# Altium PCB EinsyRetro.PcbDoc (part 4 of 5) (continued)
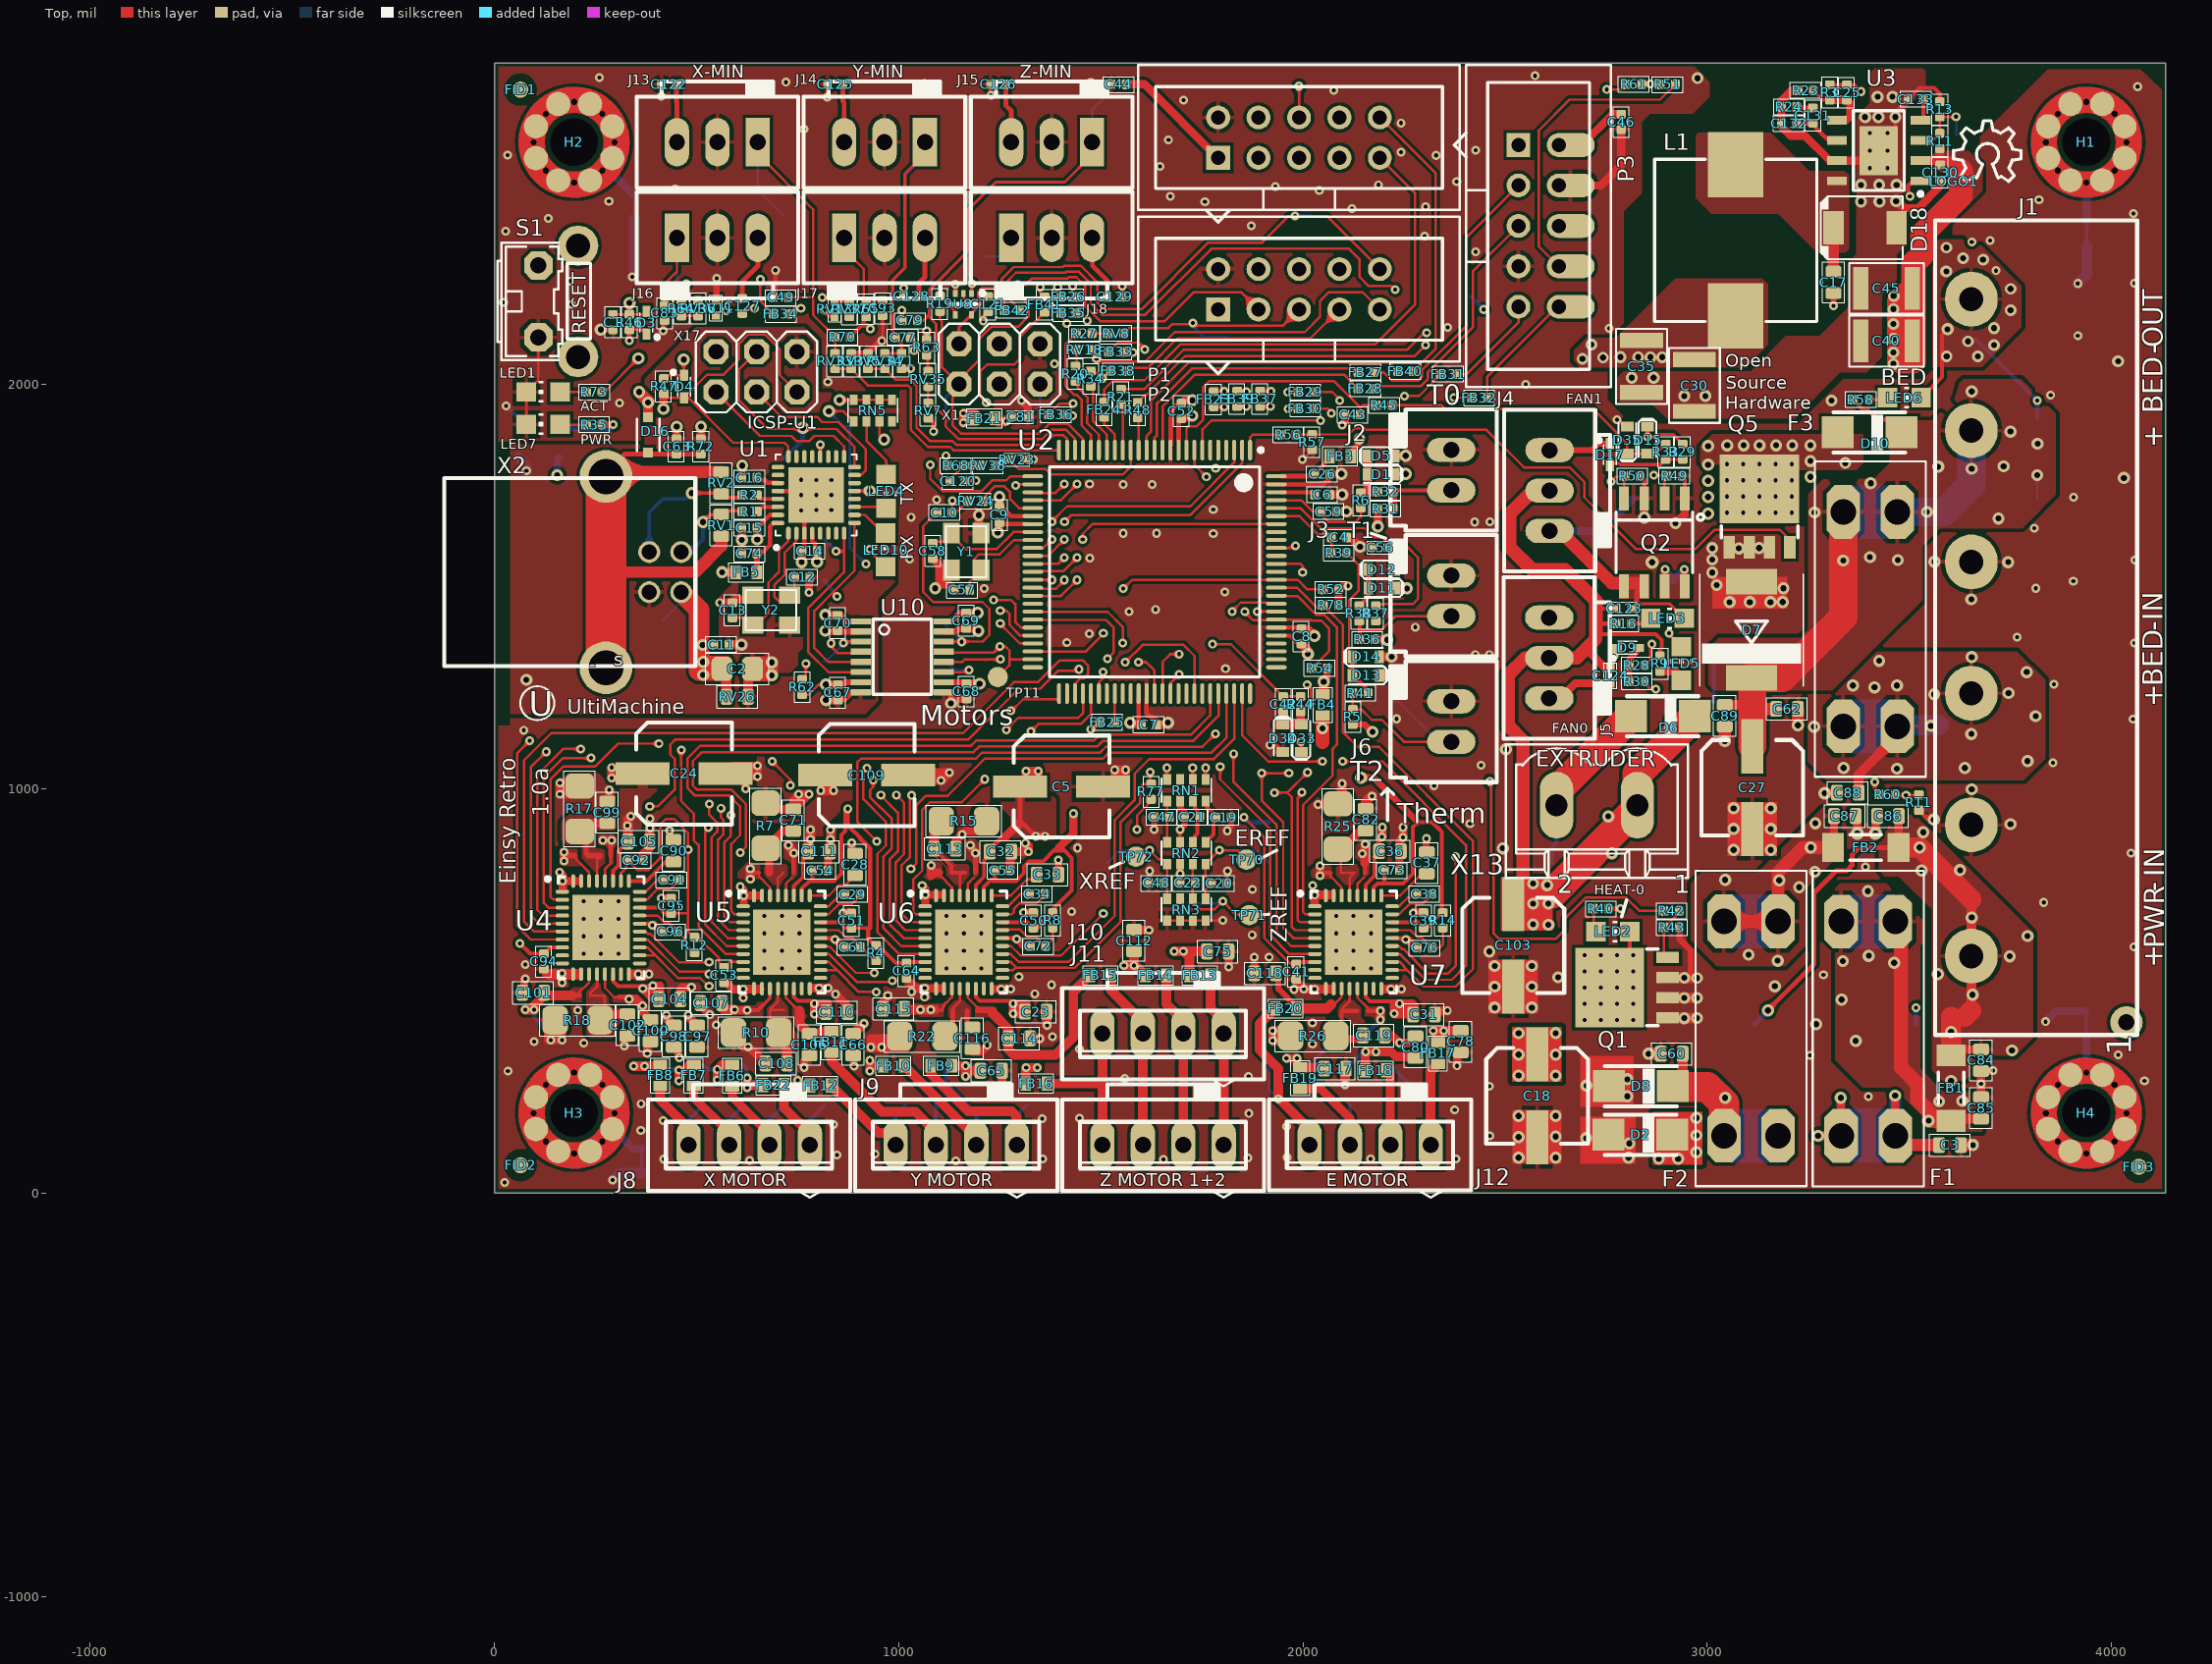
[diagram p0: Top view]
## Nets (pads, with @x,y where several pads share a name; then routed paths per layer and width w, separated by ;. In a path a pad name is that pad's centre, name@x,y a point inside that pad or via, vN(x,y) a via of type N, cw(c..) or ccw(c..) an arc to the next point about the centre after c; other vN are vias at no path point) (continued)
  Signal Layer 2 w6: v1(811,2215) 826,2215 844,2197 844,2168.5 1068,1944.5 1068,1894.7 1065,1891.7 1065,1874.3 1068,1871.3 1068,1842.3 1103.25,1807.05 1103.25,1790.25 1072.25,1759.25 1072.25,1703.25 1086.25,1689.25 1171.25,1689.25 1185.25,1703.25 1211.25,1703.25 1218.64,1695.87 1430.64,1695.87 1455,1671.5 v2(1455,1616)
Y_MIN: RV5.2 RV34.1 U2.24 | length 658.4
  Top w6: RV5.2@923.48,2038.14 923.53,2038.19 RV34.1@965.55,2038.19 991.93,2011.81 1027.91,2011.81 1044,1995.72 1044,1892.89 1077.89,1859 1133.29,1859 1142.29,1850 1360,1850 1383.77,1873.77 1407.23,1873.77 1416.25,1864.75 U2.24@1416.25,1850.96
Y_nCS: U2.70 U5.2 | length 1901.8
  Top w6: U5.2@615.53,688.95 593.05,688.95 585.5,696.5 585.5,862.5 607.5,884.5 607.5,956 580.25,983.25 495,983.25 477,1001.25 477,1074 509,1106 1179,1106 1192,1119 1483,1119 1497,1133 1722.66,1133 1770.79,1181.13 U2.70@1770.79,1221
Z-DIR: U2.37 U6.7 | length 1587.1
  Top w6: v1(921,1050) 912.5,1041.5 912.5,973.5 968,918 968,859 947.5,838.5 947.5,644.5 1001.47,590.53 U6.7@1065.53,590.53 ; U2.37@1317.83,1555.69 1394.51,1555.69 v1(1409.83,1571)
  Signal Layer 2 w6: v1(921,1050) 948,1077 1231,1077 1333.41,1179.41 1333.41,1526.41 1378,1571 v1(1409.83,1571)
Z-EN: U2.73 U6.22 | length 1084.8
  Top w6: U6.22@1256.47,590.53 1277.47,590.53 1297,571 1419.75,571 1534,685.25 1534,922 1583.25,971.25 1583.25,1036.25 1620,1073 1779.69,1073 1829.79,1123.09 U2.73@1829.79,1221
Z-REF: C22.1 RN2.7 RN3.2 TP13.TP TP71.TP U6.23 | length 967.6
  Top w6: U6.23@1257.69,609 1256.47,610.21 1277.79,610.21 1301,587 1402,587 v1(1506,691) ; RN2.7@1727.47,813.26 1727.47,772.35 C22.1@1733.38,766.44 1727.47,760.54 RN3.2@1727.47,727.07 1727.47,718.6 1744.59,701.48 1781.61,701.48 v2(1801.29,721.17) 1834.76,687.7 1866.3,687.7 TP71.TP@1867,687
  Signal Layer 2 w6: v1(1506,691) 1771.13,691 v2(1801.29,721.17)
  Bottom w6: TP13.TP@1716,716 1796.13,716 v2(1801.29,721.17)
Z-REF-PWM: RN1.2 U2.39 | length 862.6
  Top w6: U2.39@1318.39,1515.44 1317.83,1516 v1(1378.83,1516) ; v1(1727,1051) 1727,1022.82 RN1.2@1727.47,1022.35
  Signal Layer 2 w6: v1(1378.83,1516) 1363.41,1500.58 1363.41,1155.59 1427,1092 1689.47,1092 1725,1056.47 v1@1725,1054
Z-STEP: U2.55 U6.6 | length 1167.1
  Top w6: v1(936.93,1020.68) 936.93,1003.93 929,996 929,979 983,925 983,852 962.5,831.5 962.5,654.5 1006.79,610.21 U6.6@1065.53,610.21 ; v1(1327,1141) 1346,1160 1451,1160 1475.31,1184.31 U2.55@1475.31,1221
  Signal Layer 2 w6: v1(936.93,1020.68) 936.93,1021.83 936,1022.77 974.23,1061 1247,1061 v1(1327,1141)
Z_DIAG: R77.1 U2.83 U6.20 U6.21 | length 1514.2
  Top w6: U6.20@1256.47,551.16 1283.16,551.16 1289,557 1291,557 ; U6.21@1256.47,570.84 1277.16,570.84 1291,557 ; v1(1622,1041) R77.1@1622,1011.15 ; R77.1@1624.25,1011.15 R77.1@1622,1011.15 ; v1(1886.79,1438) 1946.79,1438 U2.83@1947.79,1437 ; 1291,557 1436,557 1549,670 1549,917 1597.25,965.25 1597.25,1003.25 1605.15,1011.15 R77.1@1622,1011.15
  Signal Layer 2 w6: v1(1622,1041) 1636,1041 1648,1029 1819,1029 1853,1063 1853,1127 1909,1183 1909,1415.79 v1(1886.79,1438)
Z_MAX: RV23.2 RV38.1 U2.16 | length 404.6
  Top w6: RV38.1@1239.54,1799.26 1259.07,1799.26 RV23.2@1273.46,1813.65 1296.75,1790.35 1363.19,1790.35 1376.97,1776.57 1554.13,1776.57 1573.73,1796.17 U2.16@1573.73,1837.18
Z_MIN: RV7.2 RV35.1 U2.23 | length 489.3
  Top w6: RV7.2@1073,1954 RV35.1@1073,1994.1 ; RV7.2@1073,1961 1116,1918 1116,1896.09 1148.09,1864 1354.2,1864 1377.97,1887.77 1413.03,1887.77 1435.94,1864.86 U2.23@1435.94,1850.96
Z_nCS: U2.84 U6.2 | length 1824.1
  Top w6: U6.2@1065.53,688.95 1042.05,688.95 1035.88,695.12 1035.88,774.88 1058,797 1058,947 1077,966 1156,966 v1(1213,1023) ; v1(1824.79,1438) 1824.79,1438.79 1846,1460 1910,1460 1913,1457 U2.84@1947.79,1457 ; U2.84@1947.79,1458 U2.84@1954.98,1458
  Signal Layer 2 w6: v1(1213,1023) 1223,1013 1827,1013 1870,1056 1870,1122 1924,1176 1924,1441.66 1905.66,1460 1846,1460 1824.79,1438.79 v1(1824.79,1438)
pads on no net: D6. D10. D16. FID1.1 FID2.1 FID3.1 H1.0 H2.0 H3.0 H4.0 J8. J9. J10. J11. J12. P3. Q1. Q5. U4. U5. U6. U7. U10.

## Polygon pours and split planes (outlines as drawn)
GND on Top "Top GND large pour" (solid, remove dead copper, pour order 217): 2967.4,2785.6 3006,2747 3006,2711 2964,2669 2858,2669 2838,2649 2838,2473 2793,2428 2793,2151 2753,2111 2753,1961 2812,1902 3225,1902 3336,2013 3534,2013 3607,2086 3607,2436 3675,2504 3675,2612 3842,2779 4071,2779 4124.18,2729 4124.18,10.18 10.18,10.18 10.18,2785.6
GND on Top "Top-MotorThermal" (solid, pour order 174): 75.06,895.06 141,961 2406,961 2519.94,847.06 2519.94,449.07 2414.87,344 218,344 75.06,486.94
VMOT on Top "Direct Connect" (solid, remove dead copper, pour order 98): 3630,2429 3680,2479 3680,2544 3647,2577 3566,2577 3553,2564 3553,2548 3606,2495 3606,2447
GND on Top "XTAL" (solid, pour order 207): 1272,1473 1065,1473 1065,1691 1272,1691
GND on Top "Direct-Connect" (solid, pour order 164): 832,787 846,801 846,816 846,900 842,904 831,904 819,892 819,871 812,864 812,794 819,787
GND on Top "Direct-Connect" (solid, pour order 146): 678,915 754.49,915 793.27,953.77 793.27,985.73 787,992 746,992 735,981 719,981 702,998 644,998 630,984 630,926 641,915
GND1 on Top "Top-GND1" (solid, remove dead copper, pour order 124): 38.64,1184.25 917.52,1184.25 949.07,1215.8 949.07,1469.74 994,1514.67 994,1980 801,1980 800,2108 767,2141 498.28,2141 371.32,2014.03 372.3,2013.05 372.3,1850.65 38.64,1850.65
GND on Top "Top-GND-ICoupler" (solid, pour order 117): 1008.13,1512.06 960.88,1464.82 960.88,1208.91 917.57,1165.61 917.57,1149.86 929.39,1138.05 1173.48,1138.05 1232.54,1197.1 1232.54,1409.7 1197.1,1445.13 1086.87,1445.13 1019.94,1512.06
VMOT on Top "VMOT-Y" (solid, pour order 107): 770,882 770,956 794,980 794,1025 885,1025 885,973 816,904 816,882
BED-IN on Top "50mil" (solid, pour order 184): 3248.09,1111.09 3248.09,1279.09 3308.09,1339.09 3766.09,1339.09 3836.09,1269.09 3836.09,1074.09 3783,1021 3294.19,1021 3248.09,1067.09
+12V3 on Top "50mil" (solid, pour order 178): 3412,1766 3451,1805 3451,1852 3509,1910 3556,1910 3613,1967 3623,2003 3633,2013 3680,2013 3776,2013 3862,1927 3862,1727 3793,1658 3779,1644 3575,1644 3532,1601 3532,1506 3532,1466 3309,1243 3017,1243 3003,1257 3003,1348 3028,1373 3230,1373 3250,1393 3250,1728 3288,1766
NetC87_1 on Top "24mil" (solid, pour order 185): 2959,625 3024,560 3192,560 3237,605 3245,613 3245,754 3322,831 3322,973 3305,973 3124,792 2985,792 2959,766
BED-OUT on Top "Direct-Connect" (solid, pour order 176): 3049.62,1787.38 3368.38,1787.38 3386,1805 3386,1877 3013,1877 2982,1846 2982,1801 3036,1801
GND on Top "Direct-Connect" (solid, pour order 141): 1284,783 1299,798 1299,814 1299,815 1331,847 1331,864 1313,882 1296,882 1281,867 1267,867 1260,860 1260,784 1264,780 1281,780
NetC124_1 on Top "Direct Connect" (solid, pour order 100): 2882,1530 2882,1470 2956,1470 2956,1530 2918,1530
NetC115_1 on Top "Direct-Connect" (solid, pour order 173): 1004,435 1114,435 1118,439 1118,464.92 1115.15,467.77 1007.77,467.77 1004,464
NetC114_1 on Top "Direct-Connect" (solid, pour order 172): 1185,467 1185,439 1190,434 1238,434 1238,458 1229,467
NetC119_2 on Top "Direct-Connect" (solid, pour order 165): 2107,477 2129,477 2143,463 2143,434 2153.41,423.59 2164.86,423.59 2163,414 2163,396 2163,370 2120,361 2106.59,349 2049.68,349 2047.83,350.85 2044,354.68 2044,417 2060,433 2062,433 2082,433 2086,437 2086,459 2104,477
NetC116_2 on Top "Direct-Connect" (solid, pour order 161): 1143,477 1165,477 1179,463 1179,434 1189.41,423.59 1200.86,423.59 1208.94,415.52 1208.94,395.86 1208.94,390.02 1200.86,381.95 1166.46,381.95 1157.38,372.88 1157.38,364.38 1137,344 1090.68,344 1083.83,350.85 1080,354.68 1080,417 1096,433 1098,433 1118,433 1122,437 1122,459 1140,477
X_0B2 on Top "Direct-Connect" (solid, pour order 149): 288,487 288,475 293,470 342,470 361,451 361,412.38 365,408.38 406.29,408.38 406.29,415.25 406.29,437.71 404,447 397,447 357,487
NetC102_2 on Top "Direct Connect" (solid, pour order 135): 250,522 256,522 269,509 282,496 282,469 295,456 342,456 347,451 347,430 338,421 313,421 300,408 300,391 292,383 238,383 227,394 227,499
VMOT on Top "VMOT-Z" (solid, pour order 106): 1277,889 1277,990 1366,990 1366,879 1278,879
GND on Top "Direct Connect" (solid, pour order 131): 271.79,945.79 298,972 298,984 298,997 282,1013 258,1037 225,1037 183,1037 153,1007 153,945.79
GND on Top "Direct-Connect" (solid, pour order 136): 1572,1001 1572,1041 1582,1051 1582,1065 1573,1074 1519,1074 1514,1069 1514,1033 1538,1009
VMOT on Top "Direct-Connect" (solid, pour order 138): 1254,994 1254,952 1283,923 1287.82,918.18 1287.82,893.82 1320.82,893.82 1342.64,872 1367,872 1383,872 1389,878 1389,974 1359,1004
GND on Top "Direct-Connect" (solid, pour order 147): 614,1011 653,1011 665,1023 665,1066 658,1073 614,1073 601,1060
GND on Top "Direct-Connect" (solid, pour order 155): 544,429 544,385.25 544,360.25 544,351 599,351 621,351 638,368 638,414 623,429
GND on Top "Direct-Connect" (solid, pour order 160): 943,346 1047,346 1059,358 1059,415 1048,426 1043,431 987,431 960,431 921,392 916,387 916,354 920,354 928,346
GND on Top "Direct-Connect" (solid, pour order 167): 1979,355 1930,355 1913,372 1913,406 1921,414 1978,414 1979,413
GND on Top "Direct-Connect" (solid, pour order 175): 1083,1005 1124,1005 1141,1022 1141,1036 1127,1050 1117,1060 1082,1060
GND on Top "Direct-Connect" (solid, pour order 162): 2213.37,892.37 2213.37,796.63 2230,780 2246,780 2257,791 2259.48,793.48 2259.48,875.46 2259.48,879.52 2233,906 2227,906
VMOT on Top "VMOT-X" (solid, pour order 111): 310,899 310,1019 427,1019 365,957 365,899
PWR-IN on Top "24mil" (solid, pour order 190): 3424,799 3424,877 3447,900 3447,945 3505,945 3806,644 3806,489 3806,383 3762,339 3665,339 3665,305 3637,277 3581,277 3555,303 3555,701 3473,783 3442,783 3439,783 3424,798
NetC99_2 on Top "Direct Connect" (solid, pour order 128): 250,792 272,814 273,815 273,826 273,846 268,851 219,851 216,848 216,826 226,816
X_0A1 on Top "Direct Connect" (solid, pour order 129): 166,808 227,808 211,824 211,850 210,851 164,851 162,849 162,812
X_0A2 on Top "Direct Connect" (solid, pour order 130): 289,806 298,815 298,829 298,856 303,861 303,879 295,887 260,887 256,883 256,863 259,860 271,860 279,852 279,806
NetC99_2 on Top "Direct Connect" (solid, pour order 132): 258,850 246,862 246,877 246,889 253,896 276,896 297,896 301,900 301,933 297,937 296,936 201,936 184,936 165,917 165,873 176,862 213,862 216,859 216,844.8 226.8,834 248,834 258,844
NetC113_2 on Top "Direct-Connect" (solid, pour order 139): 1150,762 1160,762 1173,775 1175,777 1175,808 1170,813 1154,813 1124,813 1117,806 1117,775 1127,765 1130,762 1137,762
NetC112_1 on Top "Direct-Connect" (solid, pour order 143): 1073,769 1080,776 1099,776 1111,776 1113,778 1113,805 1100,818 1076,818 1051,793 1051,776 1058,769
NetC71_2 on Top "Direct-Connect" (solid, pour order 144): 700,762 710,762 723,775 725,777 725,808 720,813 704,813 674,813 667,806 667,775 677,765 680,762 687,762
X_0B1 on Top "Direct-Connect" (solid, pour order 148): 185,481 194,472 218,472 222,476 222,477 222,504 218,508 195,508 185,498
NetC107_1 on Top "Direct-Connect" (solid, pour order 154): 667.54,472 667.54,436.86 663.87,433.19 623.81,433.19 615,442 615,460 618,463 644,463 647,466 650.45,469.45 650.45,471.88
NetC113_2 on Top "Direct-Connect" (solid, pour order 156): 1085,833 1090,833 1124,799 1134,809 1141,809 1107,843 1096,854
NetC82_2 on Top "Direct-Connect" (solid, pour order 163): 2114,762 2124,762 2137,775 2139,777 2139,808 2134,813 2118,813 2088,813 2081,806 2081,775 2091,765 2094,762 2101,762
NetC117_1 on Top "Direct-Connect" (solid, pour order 166): 2151,464 2151,439 2154,436 2170,436 2180,426 2185,421 2198,421 2203,426 2203,431 2203,456 2195,464
NetC80_1 on Top "Direct-Connect" (solid, pour order 169): 2076,801 2076,804 2069,811 2034,811 2021,798 2020,797 2020,780 2023,777 2029,777 2076,777
NetC108_2 on Top "Direct Connect" (solid, pour order 151): 697.38,486 703.38,486 716.38,473 727,462.38 727,435.38 742.38,420 789.38,420 794.38,415 794.38,394 785.38,385 760.38,385 747.38,372 747.38,355 739.38,347 685.38,347 674.38,358 674.38,463
NetC106_1 on Top "Direct-Connect" (solid, pour order 152): 733,466 733,438 740,431 776,431 778,433 754,457 754,464 752,466
GND1 on Top "Top-CryGND1" (solid, pour order 118): 702.02,1645.92 702.02,1555.37 664.62,1517.97 599.66,1517.97 555.37,1473.68 555.37,1340.8 609.5,1286.67 731.55,1286.67 750.25,1305.37 750.25,1334.9 763.05,1347.69 763.05,1497.3 805.37,1539.62 777.81,1567.18 777.81,1647.89
NetC75_1 on Top "Direct-Connect" (solid, pour order 140): 1179,771 1196,771 1202,777 1204,779 1204,822 1204,859.85 1187.23,876.62 1172.62,876.62 1160,864 1160,834 1179,815
NetC65_1 on Top "Direct-Connect" (solid, pour order 145): 729,771 746,771 752,777 754,779 754,822 754,859.85 737.23,876.62 722.62,876.62 710,864 710,834 729,815
NetC78_1 on Top "Direct-Connect" (solid, pour order 168): 2143,771 2160,771 2166,777 2168,779 2168,822 2168,859.85 2151.23,876.62 2136.62,876.62 2124,864 2124,834 2143,815
NetC85_1 on Top "24mil" (solid, pour order 150): 3680,151 3680,250 3584,250 3526,308 3526,611 3537,622 3537,670 3442,765 3328,765 3316,753 3316,328 3384,260 3461,260 3570,151
BED-OUT on Top "50mil" (solid, pour order 198): 3557,2043 3632,2043 3656,2043 3679,2043 3777,2141 3777,2243 3661,2359 3557,2359
NetC123_1 on Top "Direct Connect" (solid, pour order 99): 2782,1530 2782,1470 2857,1470 2856,1470 2856,1530
GND on Top "Direct Connect" (solid, remove dead copper, pour order 223): 3397,2032 3432,2067 3432,2222 3468,2258 3468,2321 3491,2344 3491,2684 3540,2733 3540,2775 3534,2781 3413,2781 3401,2769 3401,2695 3368,2662 3368,2322 3350,2304 3350,2192 3277,2119 3194,2119 3107,2032 2793,2032 2777,2016 2777,1964 2785,1956 2859,1956 2900,1915 3215,1915 3329,2029 3394,2029
NetC17_2 on Top "Direct Connect" (solid, remove dead copper, pour order 225): 3350,2517 3340,2527 3252,2527 3157,2622 2977,2622 2971,2616 2971,2461 3010,2422 3175,2422 3271,2326 3342,2326 3350,2334
VCC on Top "Direct Connect" (solid, remove dead copper, pour order 101): 2773.5,2114.5 2700.5,2114.5 2670,2084 2670,2057 2686.27,2040.73 2753,2042 3095,2042 3150,2097 3150,2248 3136,2262 2921,2262
NetC66_1 on Top "Direct-Connect" (solid, pour order 177): 623,769 630,776 649,776 661,776 663,778 663,805 650,818 626,818 601,793 601,776 608,769
VCC on Supply "Power" (solid, remove dead copper, pour order 127): 961.25,1986.25 907.25,1986.25 857.25,1986.25 857.25,2097.25 807.25,2147.25 497.25,2147.25 425.25,2074.25 425.25,1898.25 47,1898.25 47,2391 81,2425 265,2425 267,2423 374,2530 374,2658 474,2758 1806,2758 4096.58,2758 4096.58,2271.58 4096.58,1989 4096.58,1788 4096.58,1093 4096.58,988 4096.58,891 4096.58,847 4096.58,816 4096.58,796 4096.58,783 4096.58,761.77 4096.59,740 4096.54,390.41 4096.68,58 3538,58 3538,237.41 3385,390.41 2653.65,390.41 2615.06,429 219,429 39,609 39,1114 104,1179 980,1179 1054,1253 1054,1422.5 1025,1451.5 1025,1922.5
VMOT on Supply "Power" (solid, remove dead copper, pour order 125): 433.25,908.25 441.25,904.25 445.25,894.98 445.25,834.75 489.25,788.25 489.25,690.25 474,672 474,496 494,476 520,476 558,514 558,743 689,874 744,874 767.01,897.01 844.99,897.01 850,892 857.5,892 936.68,812.82 937.25,662.25 925,642 925,487 940,472 994,472 1041.75,519.75 1041.75,812.75 1096,867 1294.25,867 1322.56,889 1407,889 1407,677 1445,639 1819,639 2042,862 2160,862 2195,897 2195,905 2207,917 2230,917 2258,889 2309,889 2363,835 2363,680 2520,523 2655,388 3387,388 3538,237 3538,77 3519,58 2727,58 402,58 344,116 344,261 267,338 108,338 58,388 58,543 87,572 87,810 171,894 304,894 310,900 310,922 335,947 351,947 361,937 361,908.25
NetD6_A on Supply "Extruder NetD6_A" (solid, pour order 114): 2657.96,395.14 2657.96,599.25 2828.25,599.25 2828.25,395.05
USBVCC on Supply "Top-USBVCC" (solid, remove dead copper, pour order 115): 1006,1928.25 958.25,1976 820,1976 820,2104 788,2136 506,2136 436,2066 436.25,1894.25 58.25,1894.25 58.25,1175.25 974.25,1175.25 1066,1267 1066,1436 1006,1496
GND on Bottom "BOT GND large pour" (solid, remove dead copper, pour order 219): 10.18,10.18 4124.18,10.18 4124.18,2785.6 10.18,2785.6
+12V2 on Bottom "Direct Connect" (solid, pour order 196): 2767.25,1070.25 2697.25,1000.25 2697.25,875.25 2649.25,827.25 2582.25,827.25 2534.25,786.25 2534.25,641 2606,641 2734,504 2964,274 2964,141 2987,118 3228,118 3245,135 3245,316 3070.07,594.89 3015.2,594.89 2983,631 2983,765 2939,765 2939,1070.25
GND1 on Bottom "Top-GND1" (solid, pour order 119): 1006.16,1906.91 1005.59,1906.91 924.25,1986.47 801,1986.47 801,2105 765,2141 498.28,2141 371.32,2014.03 372.3,2013.05 372.3,1850.65 38.64,1850.65 38.64,1187.25 920.52,1187.25 949.07,1215.8 949.07,1469.74 1006.16,1526.83
NetC85_1 on Bottom "Direct Connect" (solid, pour order 208): 3685,158 3713,186 3713,217 3680,250 3584,250 3479,355 3479,728 3442,765 3328,765 3316,753 3316,470 3352,434 3352,369 3461,260 3563,158
GND on Bottom "Direct Connect" (solid, pour order 205): 3500,1530 3557,1587 3757,1587 3757,1509 3696,1448 3562,1448 3500,1510
+12V3 on Bottom "Direct Connect" (solid, pour order 180): 3249,1723 3293,1767 3312,1786 3436,1786 3532,1786 3563,1817 3563,1935 3605,1977 3642,2014 3715,2014 3861,1868 3861,1771 3731,1641 3601,1641 3565,1605 3503,1543 3289,1543 3249,1583
NetD6_A on Bottom "Extruder HeatSink Bot" (solid, pour order 104): 2828.25,595.25 2479,595.25 2479,11 2772,11 2772,236 2773,235 2828.25,235
NetC87_1 on Bottom "Direct Connect" (solid, pour order 188): 2999,602 3076,592 3092,559 3191,559 3245,613 3245,726 3296,777 3308.25,789.25 3308.25,910.25 3283.25,935.25 3227.25,935.25 3084,792 2999,792
GND on Bottom "Direct Connect" (solid, pour order 206): 3616.25,816.25 3707.25,816.25 3780,889 3804,913 3804,1012 3582,1012 3555,985 3548,978 3548,922 3548,884.5
PWR-IN on Bottom "Direct Connect" (solid, pour order 192): 3508.25,786.75 3508.25,887.25 3518.25,897.25 3532.25,897.25 3627.25,802.25 3738.75,802.25 3806,735 3806,489 3806,383 3762,339 3665,339 3665,305 3637,277 3581,277 3555,303 3555,584 3555,740
BED-IN on Bottom "Direct Connect" (solid, pour order 183): 3247,1110 3247,1278 3307,1338 3765,1338 3835,1268 3835,1086 3775,1026 3576.99,1025.99 3558,1007 3306,1007 3247,1066
BED-OUT on Bottom "Direct Connect" (solid, pour order 200): 3488,2174 3488,2045 3454,2011 3454,2001.5 3534.25,1921.25 3660.5,2047.5 3720,2047.5 3777,2104.5 3777,2173.5 3777,2275.5 3721,2331.5 3645.5,2331.5
BED-OUT on Bottom "BedOut Bottom Heatsink" (solid, pour order 213): 3499,2079 3437,2017 3424,2016 2809,2016 2809,1696 2919.75,1585.25 3288,1585.25 3288,1756 3581.15,1756 3581.15,2243 3499,2243
GND on Signal Layer 1 "BOT GND large pour" (solid, remove dead copper, pour order 221): 10.18,10.18 4124.18,10.18 4124.18,2785.6 10.18,2785.6
uC_Vcc on Signal Layer 1 "uC Vcc" (solid, pour order 209): 1165,1992 1165,1115 2074,1115 2074,1989
NetD6_A on Signal Layer 1 "NetD6_A" (solid, remove dead copper, pour order 105): 2680.23,531.1 2680.23,421.28 2692.25,409.25 2821.84,409.25 2841.25,428.67 2841.25,742.25 2721.25,862.25 2721.25,1066.25 2698.25,1089.25 2624.25,1089.25 2586.25,1051.25 2586.25,871.25 2629.25,828.25 2629.25,585.9 2674.82,540.33
GND1 on Signal Layer 1 "Top-GND1" (solid, pour order 211): 38.64,1162.65 895.92,1162.65 949.07,1215.8 949.07,1469.74 1006.16,1526.83 1006.16,1986.47 801,1986.47 801,2105 765,2141 498.28,2141 371.32,2014.03 372.3,2013.05 372.3,1850.65 38.64,1850.65
BED-OUT on Signal Layer 1 "No Connect" (solid, pour order 102): 3543,1943 3671,2071 3733,2071 3761,2099 3761,2287 3720,2328 3634,2328 3543,2237 3543,2109.05 3477.37,2047 2976,2047 2976,2003.79 2978.74,1663 3200,1663 3337,1800 3512,1800 3543,1831
GND1 on Signal Layer 2 "Sig2-GND1" (solid, pour order 210): 1006.16,1910.35 930.03,1986.47 801,1986.47 801,2105 765,2141 498.28,2141 371.32,2014.03 372.3,2013.05 372.3,1850.65 38.64,1850.65 38.64,1195.25 928.52,1195.25 949.07,1215.8 949.07,1469.74 1006.16,1526.83
BED-OUT on Signal Layer 2 "No Connect" (solid, pour order 103): 3543,1943 3671,2071 3733,2071 3761,2099 3761,2287 3720,2328 3577,2328 3543,2294 3543,2109.05 3477.37,2047 2976,2047 2976,2003.79 2978.74,1663 3200,1663 3337,1800 3512,1800 3543,1831
NetD6_A on Signal Layer 2 "Extruder NetD6_A" (solid, pour order 194): 2718,597 2814,597 2828,597 2828,411 2658,411 2658,597
GND on GND (split plane): 4123.91,10.09 10.09,10.09 10.09,1161.34 25.9,1177.15 1044.25,1177.15 1046.2,1177.54 1047.86,1178.65 1066.86,1197.65 1067.96,1199.3 1068.35,1201.25 1068.35,1452.25 1067.96,1454.2 1066.86,1455.86 1017.16,1505.55 1017.16,1987.46 1016.77,1989.41 1015.67,1991.06 1014.01,1992.17 1012.06,1992.55 811.1,1992.55 811.1,2108 810.71,2109.95 809.6,2111.6 771.6,2149.6 769.95,2150.71 768,2151.1 496,2151.1 494.05,2150.71 492.4,2149.6 367.65,2024.86 366.54,2023.2 366.15,2021.25 366.15,1861.1 10.09,1861.1 10.09,2784.91 4123.91,2784.91
GND1 on GND (split plane): 800.9,2105.89 800.9,1987.46 801.29,1985.51 802.4,1983.85 804.05,1982.75 806,1982.36 1006.96,1982.36 1006.96,1503.44 1007.35,1501.49 1008.46,1499.84 1058.15,1450.14 1058.15,1203.36 1042.14,1187.35 23.79,1187.35 21.84,1186.96 20.18,1185.86 10.09,1175.76 10.09,1850.9 371.25,1850.9 373.2,1851.29 374.86,1852.4 375.96,1854.05 376.35,1856 376.35,2019.14 498.11,2140.9 765.89,2140.9

## Other copper
Top:
  region net GND: 2686,338.48 2686,213 2818,213 2818,338.48
  region net GND: 2685,188 2685,72 2823,72 2823,188
  rectangle net VMOT: 2865,69 2988,200
  rectangle net GND: 2518,72 2640,205
  rectangle net VMOT: 2517,275 2640,410
  rectangle net GND: 2459,443 2581,577
  rectangle net +12V2: 2489,649 2617,781
  rectangle net GND: 3050,833 3172,967
  rectangle net GND: 3012.25,1445 3198.25,1523.25
  pour cut-out: 561,1599 465,1599 464,1598 427,1635 427,1737 466,1776 701,1776 723,1754 723,1664 705,1646 607,1646
  pour cut-out: 38.64,1155.52 0.52,1155.52 0.25,1155.25 0.25,1858.25 38.17,1858.25 38.64,1857.78
Supply:
  rectangle net GND: 206.26,577.04 320.99,735.07
  rectangle net GND: 653.63,541.04 768.37,699.07
  rectangle net GND: 1103.63,541.04 1218.37,699.07
  rectangle net GND: 2067.63,541.04 2182.37,699.07
  pour cut-out: 2757.55,2068.3 ccw(c2785.57,2068.3) 2785.57,2040.28 ccw(c2785.57,2068.3) 2813.58,2068.3 ccw(c2785.57,2068.3) 2785.57,2096.31 ccw(c2785.57,2068.3)
Bottom:
  pour cut-out: 400.25,1790.25 529.25,1790.25 572.25,1747.25 572.25,1591.25 496.25,1515.25 351.25,1515.25 304.25,1562.25 304.25,1719.25 376.25,1791.25
  pour cut-out: 38.64,1155.52 0.52,1155.52 0.25,1155.25 0.25,1858.25 38.17,1858.25 38.64,1857.78
GND (plane layer: these items are gaps in the copper):
  lines w10: 0.25,1158.72 23.79,1182.25 1044.25,1182.25 1063.25,1201.25 1063.25,1452.25 1012.06,1503.44 1012.06,1987.46 806,1987.46 806,2108 768,2146 496,2146 371.25,2021.25 371.25,1856 0.25,1856

## Silkscreen, mask and mechanical layers (free items; w line width, h text height)
Top Overlay:
  circle w5: c106,1211 r42
  lines w8: 1522.25,803.25 1556.25,819.25 ; 1893.25,826.25 1935.25,847.25 ; 1897.25,688.25 1915.25,689.25 ; 2168.25,1631.25 2204.25,1619.25 ; 2194.25,985.25 2209.25,1000.25 ; 2209.25,921.25 2209.25,1000.25 ; 2224.25,985.25 2209.25,1000.25 ; 2788.25,683.25 2800.25,724.25 ; 179.75,2112.25 179.75,2299.25 237.75,2299.25 237.75,2112.25 179.75,2112.25
  lines w10: 2216.39,1224.04 2253.89,1224.04 2253.89,1303.11 ; 2216.39,1535.06 2253.89,1535.06 2253.89,1614.13 ; 2216.39,1846.09 2253.89,1846.09 2253.89,1925.15 ; 2225.94,1224.04 2225.94,1303.04 ; 2225.94,1535.06 2225.94,1614.06 ; 2225.94,1846.09 2225.94,1925.09 ; 2235.14,1224.04 2235.14,1302.83 ; 2235.14,1535.06 2235.14,1613.86 ; 2235.14,1846.09 2235.14,1924.88 ; 2244.94,1224.04 2244.94,1303.11 ; 2244.94,1535.06 2244.94,1614.13 ; 2244.94,1846.09 2244.94,1925.15 ; 2721.5,1185.5 2721.5,1264.57 2759,1264.57 ; 2722.5,1599.5 2722.5,1678.57 2760,1678.57 ; 2730.46,1185.5 2730.46,1264.57 ; 2731.46,1599.5 2731.46,1678.57 ; 2740.25,1185.77 2740.25,1264.57 ; 2741.25,1599.77 2741.25,1678.57 ; 2749.46,1185.57 2749.46,1264.57 ; 2750.46,1599.57 2750.46,1678.57
  text "X-MIN" at 488.25,2758.25 h32
  text "Y-MIN" at 887.25,2758.25 h32
  text "Z-MIN" at 1299,2758 h32
  text "RESET" at 226.75,2124.25 h35 r90
  text "Open" at 3044,2043 h32
  text "BED" at 3429,1998 h40
  text "Source" at 3045,1988 h32
  text "FAN1" at 2651,1952 h25
  text "T0" at 2306.25,1949.25 h50
  text "Hardware" at 3044,1939 h32
  text "ACT" at 212.25,1933.25 h25
  text "BED OUT" at 4126,1928 h50 r90
  text "ICSP-U1" at 626,1890 h32
  text "PWR" at 212.25,1851.25 h25
  text "+        -" at 4126,1842 h50 r90
  text "TX" at 1036.25,1701.25 h32 r90
  text "T1" at 2109.25,1619 h40
  text "RX" at 1036.25,1566.25 h32 r90
  text "s" at 295,1303 h32
  text "-" at 235,1292 h32
  text "BED IN" at 4126,1253 h50 r90
  text "+      -" at 4126,1202 h50 r90
  text "UltiMachine" at 180,1185 h36
  text "U" at 85,1179 h60
  text "Motors" at 1053,1157 h50
  text "FAN0" at 2616.14,1136.81 h25
  text "EXTRUDER" at 2576,1054 h40
  text "T2" at 2117.25,1018.25 h50
  text "1.0a" at 134,931 h40 r90
  text "Therm" at 2232.25,913.25 h50
  text "EREF" at 1831,858 h40
  text "Einsy Retro" at 52,763 h40 r90
  text "XREF" at 1445.25,751.25 h40
  text "HEAT-0" at 2720.25,737.25 h25
  text "ZREF" at 1960.25,619.25 h40 r90
  text "PWR IN" at 4130,604 h50 r90
  text "+      -" at 4126,557 h50 r90
  text "Z MOTOR 1+2" at 1498,17 h32
  text "X MOTOR" at 518,16 h32
  text "Y MOTOR" at 1030,16 h32
  text "E MOTOR" at 2057,16 h32
Bottom Overlay:
  lines w8: 532.25,1879.25 579.25,1919.25 ; 684.25,1859.25 701.25,1882.25
  text "ZMIN" at 1674.25,2679.25 h32
  text "YMAX" at 740,2465 h32 r270
  text "YMIN" at 1176.25,2441.25 h32
  text "XMIN" at 693,2268 h32 r270
  text "XMAX" at 328.25,2250.75 h32 r270
  text "5V" at 2370.25,2205.25 h32
  text "ZMAX" at 1229.25,2196.25 h32
  text "SCK" at 1553.25,2005.25 h32
  text "MOSI" at 1871.25,2002.25 h32
  text "RESET2" at 335,1962 h35
  text "MISO" at 1050.25,1957.25 h32 r270
  text "USB" at 1025.25,1937.25 h35
  text "BED-" at 3970,1899 h32
  text "BOOT" at 1059.25,1891.25 h35
  text "EN" at 1050.25,1843.25 h35
  text "SCK2" at 673.25,1810.25 h32
  text "MISO2" at 513.25,1801.25 h32
  text "FAN1" at 2791.25,1748.25 h32
  text "BED+" at 3969,1698 h32
  text "D+" at 381.25,1694.25 h32
  text "nRESET" at 1274.25,1684.25 h35 r270
  text "MOSI2" at 656.25,1641.25 h32 r270
  text "TX0-I" at 991.25,1622.25 h32
  text "THERMISTOR 0" at 2162.25,1614.25 h32
  text "FAN0" at 2970,1579 h32
  text "D-" at 651.25,1513.25 h32
  text "RX0-I" at 1008.25,1480.25 h32
  text "GND1" at 278.25,1459.25 h32
  text "RST-IO" at 1112.25,1452.25 h35 r270
  text "THERMISTOR 1" at 2176,1385 h32
  text "12V2" at 3169,1298 h32
  text "DTR" at 935.25,1249.25 h32
  text "TX0" at 1023.25,1206.25 h32 r270
  text "RX0" at 1224.25,1197.25 h35 r270
  text "USBVCC" at 387.25,1193.25 h32 r270
  text "THERMISTOR 2" at 2180.25,1174.25 h32
  text "VCC-MOT" at 2166,898 h32
  text "XYREF" at 1476,853 h32 r270
  text "EREF" at 1903.25,664.25 h32 r270
  text "ZREF" at 1601,663 h32 r270
  text "Z1A" at 1688,478 h32 r270
  text "Z2A" at 1772,474 h32 r270
  text "Z2B" at 1594,471 h32 r270
  text "Z1B" at 1484,470 h32 r270
  text "X1B" at 106.25,465.25 h32 r270
  text "E1A" at 2091.25,360.25 h32 r270
  text "X2B" at 403.25,359.25 h32
  text "X1A" at 429.25,356.25 h32 r270
  text "E2B" at 1977.25,356.25 h32 r270
  text "Y1A" at 1090.25,355.25 h32 r270
  text "E1B" at 1876.25,355.25 h32 r270
  text "Y2B" at 977.25,354.25 h32 r270
  text "X2A" at 582.25,351.25 h32 r270
  text "Y1B" at 711.25,351.25 h32 r270
  text "GND" at 3256.25,301.25 h32 r270
  text "E2A" at 2257,298 h32 r270
  text "Y2A" at 1254.25,293.25 h32 r270
  text "BED-IN" at 3506,207 h32 r270
  text "PWR-IN" at 3093,201 h32 r270
  text "GND" at 2855,146 h32 r270
Bottom Solder:
  region: 3357.05,1753.61 3357.05,1614.61 3448.05,1614.61 3448.05,1753.61
  region: 3357.05,1223.61 3357.05,1084.61 3448.05,1084.61 3448.05,1223.61
  region: 3352.05,210.61 3352.05,71.61 3443.05,71.61 3443.05,210.61
  region: 3062,211 3062,72 3153,72 3153,211
  region: 3352.05,740.61 3352.05,601.61 3443.05,601.61 3443.05,740.61
  region: 3062,741 3062,602 3153,602 3153,741
Dimension:
  lines w8: 0.25,0.25 4134.11,0.25 4134.11,2795.53 0.25,2795.53 0.25,0.25
PCB Document:
  lines w10: 2994.87,2336.29 2994.87,2493.77 3231.09,2493.77 3231.09,2336.29 2994.87,2336.29 ; 3059.31,1776.83 3435.76,1776.83 3435.76,2129.83 3059.31,2129.83 3059.31,1776.83
  text "Bot Silk" at 3195.13,2350.65 h32
  text "UL" at 3206.11,1938.26 h30
  text "Bot Silk" at 3381.16,1827.02 h40